# Altium PCB Power_Board_2.PcbDoc (part 5 of 6) (continued)
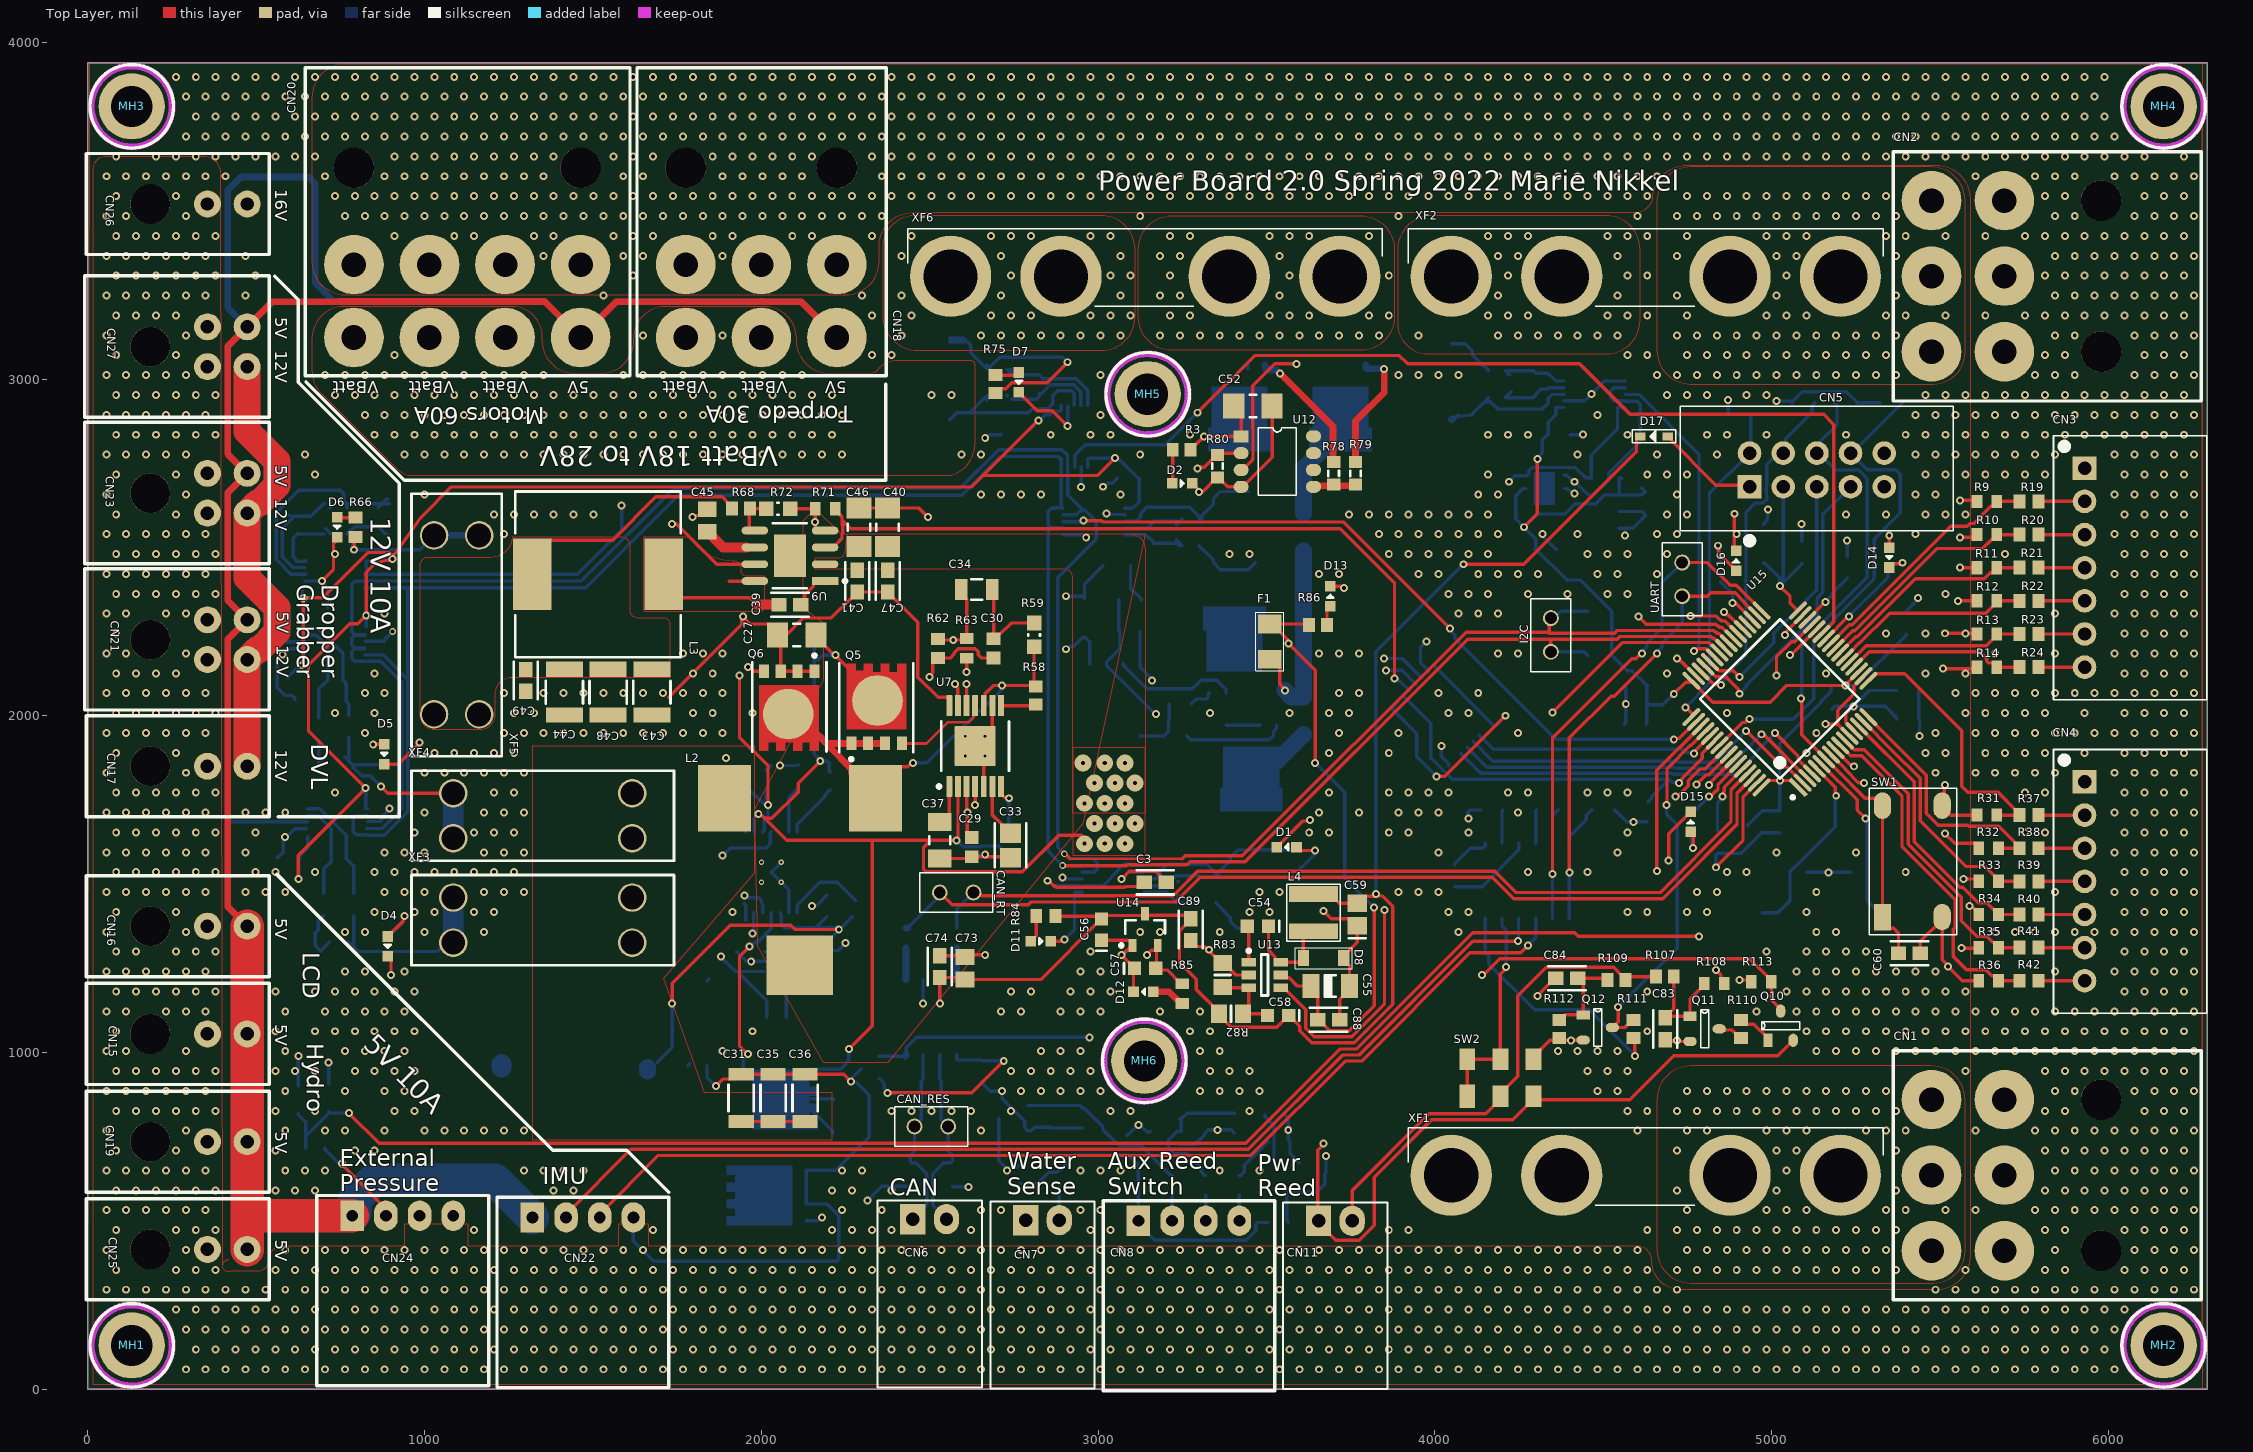
[diagram p0: Top Layer view]
## Nets (pads, with @x,y where several pads share a name; then routed paths per layer and width w, separated by ;. In a path a pad name is that pad's centre, name@x,y a point inside that pad or via, vN(x,y) a via of type N, cw(c..) or ccw(c..) an arc to the next point about the centre after c; other vN are vias at no path point) (continued)
  Bottom Layer w10: U4.5@3125,1940.04 R25.1@3196.54,1940 R25.1@3196.54,1940 3209.25,1952.72 3209.25,1986.36 3211.54,1988.64 R26.1@3211.54,2035
NetR27_1: R27.1 R30.2 U4.2 U15.28 | length 2532.4
  Top Layer w10: v1(5055,2180) 5056.94,2180 5134.1,2257.15 U15.28@5134.72,2257.15
  Layer 2 w10: v1(3171.72,2005) 3201.54,1975.19 4220.28,1975.19 4279.9,2034.81 4416.5,2034.81 4441.12,2010.19 4695.1,2010.19 4751.23,2066.32 4870.86,2066.32 4894.72,2090.19 4950.19,2090.19 5038.54,2178.54 5053.54,2178.54 v1(5055,2180)
  Bottom Layer w10: R27.1@3061.54,2345 3061.54,2253.94 R30.2@3065.47,2250 3065.47,2200 3025,2159.53 U4.2@3025,2155 3025,2150.47 3170.47,2005 v1(3171.72,2005)
NetR43_1: R43.1 R45.2 R49.1 XF3.3 XF3.4 | length 580
  Bottom Layer w10: R45.2@773.62,1328.41 798.15,1303.88 R45.2@798.15,1300 ; R49.1@790,1406.5 790,1308.15 R45.2@798.15,1300 ; XF3.3@1085,1326.14 1064.8,1326.14 1038.66,1300 R45.2@798.15,1300
  Bottom Layer w60: XF3.3@1085,1326.14 XF3.4@1085,1460
NetR46_2: R46.2 U5.7 | length 165.8
  Bottom Layer w10: U5.7@2106.77,1655.08 2106.77,1677.72 2189.33,1760.28 2189.33,1765.71 2202.05,1778.43 R46.2@2205,1778.43
NetR47_1: R47.1 U5.8 | length 246.6
  Bottom Layer w10: U5.8@2106.77,1414.92 2106.77,1437.56 2174.21,1505 2225,1505 R47.1@2280,1450
NetR54_1: R54.1 R56.2 R60.1 XF4.3 XF4.4 | length 683.3
  Top Layer w10: v1(870,1790) 890,1770 XF4.4@1085,1770
  Bottom Layer w10: R56.2@763.62,1876.91 R56.2@788.15,1852.39 ; R60.1@775,1935 775,1865.54 R56.2@788.15,1852.39 ; R56.2@789.34,1851.19 792.72,1854.57 R54.1@880,1854.57 ; v1(870,1790) 838.46,1821.54 812.68,1821.54 788.15,1846.06 R56.2@788.15,1850 R56.2@788.15,1852.39
  Bottom Layer w60: XF4.3@1085,1636.14 XF4.4@1085,1770
NetR57_1: R57.1 U7.7 | length 162.4
  Top Layer w10: U7.7@2711.77,1789.92 2711.77,1767.28 2721.45,1757.61 2732.39,1757.61 v1(2735,1755)
  Bottom Layer w10: R57.1@2735,1643.54 v1(2735,1755)
NetR58_1: R58.1 U7.8 | length 104.6
  Top Layer w10: U7.8@2711.77,2030.08 2811.65,2030.08 R58.1@2815,2033.43
NetR66_2: R66.2 R67.2 R69.1 XF5.3 XF5.4 | length 631.8
  Top Layer w10: v1(790.63,2493.05) 790.63,2527.09 R66.2@795,2531.46 ; XF5.4@1159.25,2535.75 XF5.4@1160,2535
  Bottom Layer w10: R69.1@768.5,2540 R69.1@770.36,2540 ; R69.1@770.62,2540 770.62,2542.08 780.52,2551.97 R69.1@782.6,2551.97 ; R67.2@888.15,2540 882.91,2540 861.54,2561.38 791.73,2561.38 781.42,2551.07 786.26,2546.22 786.26,2501.11 790.63,2496.74 v1(790.63,2493.05) 985.38,2493.05 XF5.3@1028.07,2535.75 ; XF5.4@1155.75,2535.75 XF5.4@1160,2540
  Bottom Layer w20: XF5.3@1028.07,2535.75 XF5.4@1155.75,2535.75
NetR68_1: R68.1 R72.2 U9.5 | length 146.7
  Top Layer w10: U9.5@1989.61,2556.81 1982.8,2550 1978.7,2550 1971.42,2550 1964.61,2556.81 1964.61,2615 R72.2@2022.44,2615
NetR74_2: R74.2 R75.1 R76.1 XF6.3 XF6.4 | length 738.5
  Top Layer w10: R75.1@2695,2958.43 2707.72,2971.14 2725.79,2971.14 2743.87,2989.22 2849.22,2989.22 v1(2910,3050)
  Bottom Layer w10: R74.2@2560,3111.14 R74.2@2601.34,3111.14 ; R74.2@2560,3121.14 2601.34,3121.14 2621.93,3100.55 2621.93,3077.71 2669.64,3030 R76.1@2673.36,3030 ; R76.1@2667.4,3041.97 2669.48,3041.97 2679.38,3032.08 R76.1@2679.38,3030 ; R76.1@2676.37,3033.01 R76.1@2673.36,3030 ; v1(2910,3050) 2895,3065 2708.36,3065 2677.41,3034.05 R76.1@2673.36,3030
  other v1: 2416.69,3129.92 2652.91,3129.92 2711.97,3129.92 2771.02,3129.92 2830.08,3129.92 2889.13,3129.92 2948.19,3129.92 3007.24,3129.92 3066.3,3129.92 2446.22,3188.98 2682.44,3188.98 2741.49,3188.98 2800.55,3188.98 2977.72,3188.98 3036.77,3188.98 3095.83,3188.98 2416.69,3248.03 2711.97,3248.03 3066.3,3248.03 2741.49,3307.09 3036.77,3307.09 3095.83,3307.09 2416.69,3366.14 2711.97,3366.14 3066.3,3366.14 2446.22,3425.2 2682.44,3425.2 2741.49,3425.2 2800.55,3425.2 2977.72,3425.2 3036.77,3425.2
NetR78_2: R78.2 R79.2 U12.5 | length 127.7
  Top Layer w20: U12.5@3639.96,2680 3642.99,2683.03 3761.49,2683.03 R79.2@3765,2686.54
NetR80_1: R80.1 U12.2 U16.15 | length 1148.5
  Top Layer w10: v1(3295,2735) 3297.61,2737.61 3315.64,2737.61 3353.03,2775 R80.1@3355,2775 3360,2780 U12.2@3425,2780
  Layer 2 w10: v1(3295,2735) 3460.18,2735 3959.85,2235.32 3959.85,2235.15 v1(3975,2220)
  Bottom Layer w10: v1(3975,2220) 3957.7,2202.7 3957.7,2158.06 3980.33,2135.42 U16.15@3980.33,2130.15
NetR98_1: R98.1 U15.29 U17.8 | length 3356.2
  Top Layer w10: v1(5015.04,2119.96) v1(5015.04,2119.96) 5015,2175.09 5059.94,2220.03 5069.75,2220.03 U15.29@5120.8,2271.07
  Layer 2 w10: v1(2975,1045) 3487.19,1557.19 3927.64,1557.19 4325.27,1954.81 4864.81,1954.81 4938.6,2028.6 4938.6,2043.6 v1(5015.04,2119.96) v1(5015.04,2119.96)
  Bottom Layer w10: R98.1@2350,988.46 U17.8@2427.2,988.46 ; U17.8@2430,993.78 2430,1013.46 2461.54,1045 v1(2975,1045)
  Bottom Layer w20: U17.8@2427.2,988.46 2430,991.26 U17.8@2430,993.78
NetR99_1: R99.1 U17.1 | length 94.3
  Bottom Layer w20: U17.1@2430,1216.22 R99.1@2430,1310.47
NetR101_1: R101.1 U17.4 | length 94.3
  Bottom Layer w20: U17.4@2580,1216.22 R101.1@2580,1310.47
NetR108_2: R108.2 U15.51 | length 899.6
  Top Layer w10: v1(4660.73,1539.27) 4660,1540 4660,1838.11 U15.51@4790.01,1968.12 ; v1(4835,1245) 4850.4,1229.59 4850.4,1214.12 R108.2@4859.53,1205
  Layer 2 w10: v1(4660.73,1539.27) 4660.73,1419.27 v1(4835,1245)
NetU1_3: U1.3 U15.50 | length 2180.9
  Top Layer w10: v1(2957.52,2579.72) 3010.38,2579.72 3014.72,2575.38 3729.43,2575.38 v1(4045,2259.81) ; v1(4710,1930) 4712.61,1932.61 4726.65,1932.61 U15.50@4776.09,1982.04
  Bottom Layer w10: U1.3@2896.06,2577.4 2896.78,2576.68 2950.8,2576.68 2953.84,2579.72 v1(2957.52,2579.72) ; v1(4045,2259.81) 4045,2256.12 4060.09,2241.04 4060.09,2229.91 4360,1930 v1(4710,1930)
NetU2_3: U2.3 U15.42 | length 2315.4
  Top Layer w10: v1(4350,2010) 4557.41,2217.41 4812.69,2217.41 4816.77,2213.33 4819.15,2213.33 4823.24,2209.25 4823.37,2209.25 4845.06,2187.56 U15.42@4845.68,2187.56
  Layer 2 w10: v1(2895,1520) 2898.69,1520 2906.34,1527.65 2907.65,1527.65 2955.19,1575.19 3920.19,1575.19 4133.79,1788.79 4133.79,1793.79 v1(4350,2010)
  Bottom Layer w10: v1(2895,1520) 2898.69,1520 2903.69,1515 U2.3@2953.46,1515
NetU3_3: U3.3 U15.43 | length 957.5
  Top Layer w10: v1(4770,2192.6) 4773.69,2192.6 4780.5,2199.41 4805.24,2199.41 4809.32,2195.33 4809.45,2195.33 4831.14,2173.64 U15.43@4831.76,2173.64
  Bottom Layer w10: U3.3@4566.54,2955 4567.31,2954.22 4607.06,2954.22 4784.81,2776.47 4784.81,2207.41 v1(4770,2192.6)
NetU6_3: U6.3 U15.37 | length 4653.3
  Top Layer w10: v1(4859.5,2307.8) 4859.5,2305.25 4865.5,2299.25 4872.43,2299.25 4892.83,2278.85 4892.96,2278.85 4914.66,2257.15 U15.37@4915.28,2257.15
  Layer 2 w10: v1(895,1725) 895,2000 1147,2252 2396.54,2252 2412.36,2267.81 3817.19,2267.81 3949.62,2135.38 4646.03,2135.38 4684.81,2174.16 4684.81,2194.9 4706.91,2217 4726.91,2217 4817.71,2307.8 v1(4859.5,2307.8)
  Bottom Layer w10: U6.3@831.54,1685 832.32,1685.78 866.29,1685.78 877.76,1697.25 877.76,1704.32 895,1721.56 v1(895,1725)
NetU8_3: U8.3 U15.38 | length 4247.8
  Top Layer w10: v1(4760,2296.22) 4835.99,2296.22 4846.88,2285.33 4848.98,2285.33 4853.06,2281.25 4863.35,2281.25 U15.38@4901.36,2243.24
  Layer 2 w10: v4(905,2250) 925,2270 2374.19,2270 2390,2285.81 3839.19,2285.81 3971.62,2153.38 4360.17,2153.38 4361.79,2155 4525,2155 4605,2235 4704.39,2235 4740.31,2270.92 4740.31,2276.54 v1(4760,2296.22)
  Bottom Layer w10: U8.3@823.38,2220.78 879.22,2220.78 880,2220 880,2225 v4(905,2250)
NetU10_3: U10.3 U15.39 | length 4642.5
  Top Layer w10: v1(4605,2295) 4628.59,2271.41 4835.35,2271.41 4839.43,2267.33 4841.52,2267.33 4845.6,2263.25 4852.88,2263.25 4886.82,2229.32 U15.39@4887.44,2229.32
  Layer 2 w10: v1(1585,2625) 3145,2625 3306.83,2786.83 4358.25,2786.83 4615,2530.09 4615,2307.67 4605,2297.67 v1(4605,2295)
  Bottom Layer w10: U10.3@822.6,2420 1453.32,2420 1585,2551.68 v1(1585,2625)
NetU11_3: U11.3 U15.27 | length 3133.6
  Top Layer w10: v1@3295.32,2899.68 3465.44,3069.81 3895.19,3069.81 3920,3045 4430,3045 4580,2895 5155,2895 5185,2865 5185,2279.6 U15.27@5148.64,2243.24
  Bottom Layer w10: U11.3@2930,2738.46 2930.78,2739.24 2930.78,2773.22 2962.2,2804.64 3199.64,2804.64 v1(3295,2900)
NetU15_2: U15.2 U16.4 | length 1106.7
  Top Layer w10: v1(4924.96,1955.04) 5032.06,1847.94 5046.11,1847.94 U15.2@5092.96,1801.09
  Bottom Layer w10: U16.4@4113.96,1924.14 4173.06,1865.03 4718.87,1865.03 4721.44,1862.46 4832.37,1862.46 v1(4924.96,1955.04)
NetU15_3: U15.3 U16.5 | length 1132.1
  Top Layer w10: v1(4970.04,1945.04) 4972.65,1942.44 4979.45,1942.44 U15.3@5106.88,1815.01
  Bottom Layer w10: U16.5@4095.86,1906.04 4154.87,1847.03 4711.41,1847.03 4713.98,1844.46 4869.46,1844.46 v1(4970.04,1945.04)
NetU15_4: U15.4 U16.6 | length 1179.3
  Top Layer w10: v1(5011.19,1948.81) 5078.86,1881.14 5078.86,1870.86 U15.4@5120.8,1828.93
  Bottom Layer w10: U16.6@4077.77,1887.95 4136.68,1829.03 4703.96,1829.03 4706.53,1826.46 4896.46,1826.46 4952.52,1882.52 4952.52,1890.14 v1(5011.19,1948.81)
NetU15_53: U15.53 U16.3 | length 733.4
  Top Layer w10: v1(4769.7,1887.27) 4772.31,1889.88 4772.31,1894.74 U15.53@4817.85,1940.28
  Bottom Layer w10: U16.3@4132.05,1942.23 4174.29,1900 4737.89,1900 4748.01,1889.88 4767.1,1889.88 v1(4769.7,1887.27)
NRST: C60.1 CN5.8 R91.1 SW1.1 SW1.2 U15.7 | length 1992
  Top Layer w10: v1(5088.46,2051.54) 5090.18,2049.82 5090.18,1943.06 U15.7@5162.56,1870.68 5162.56,1870.06 5193.5,1839.12 5193.5,1838.96 5277.96,1754.49 5310.98,1754.49 5330,1735.47 SW1.2@5330,1732.83 SW1.1@5330,1402.13 5330,1389.63 5350.59,1369.04 5363.09,1369.04 5377.44,1354.68 C60.1@5377.44,1295
  Bottom Layer w10: v1(5088.46,2051.54) 5090.18,2053.25 5090.18,2215.93 5285,2410.75 5285,2704.54 5259.54,2730 5189.4,2730 CN5.8@5139.76,2779.64 ; CN5.8@5135,2780 5146.48,2791.48 5146.48,2816.48 5195,2865 5195,2921.54 R91.1@5186.54,2930
OSC_IN: C62.2 U15.5 X1.2 | length 571
  Top Layer w10: U15.5@5134.72,1842.85 5189.94,1787.63 5189.94,1765.06 v1(5192.54,1762.46)
  Bottom Layer w10: X1.2@4972.99,1415 5019.06,1415 5055.39,1451.34 C62.2@5055.39,1535 ; C62.2@5055,1535 5055,1536.57 5065.16,1546.73 5066.73,1546.73 5076.84,1556.84 5076.84,1557.12 5084.46,1564.73 5084.73,1564.73 5190,1670 5190,1759.91 v1(5192.54,1762.46)
OSC_OUT: C61.2 U15.6 X1.1 | length 539.2
  Top Layer w10: U15.6@5148.64,1856.76 5148.64,1856.56 5255,1750.2 5255,1720 v1(5280,1695)
  Bottom Layer w10: v1(5280,1695) 5280,1691.31 5284.61,1686.71 5284.61,1451.34 5320.94,1415 X1.1@5347.01,1415
RED: R93.1 U15.35 | length 156.2
  Top Layer w10: v1(4885,2335) 4887.61,2332.39 4895.72,2332.39 U15.35@4943.12,2284.99
  Bottom Layer w10: R93.1@4850,2397.9 4850,2396.46 4884.65,2361.81 4884.65,2335.35 v1(4885,2335)
"Reed Switch Line": CN11.2 R107.2 R109.2 SW2.5 | length 1437.3
  Top Layer w10: CN11.2@3755,500 3755,590.02 3982.98,818 4150.99,818 4195,862.01 SW2.5@4195,869.88 4195,877.76 4246.81,929.57 4246.81,1168.04 4331.7,1252.92 4532.27,1252.92 4544.14,1241.05 4544.14,1240.39 4566.57,1217.95 R109.2@4566.57,1215 4576.57,1225 R107.2@4656.85,1225
RS232_RX: CN22.3 U20.13 | length 3188.4
  Top Layer w10: CN22.3@1520,510 1520,520 1694,694 3453.91,694 3734.35,974.44 3783.02,974.44 4104.62,1296.04 4256.05,1296.04 4276.77,1316.76 v1(4276.77,1318.23)
  Bottom Layer w10: v1(4276.77,1318.23) 4300,1341.46 U20.13@4300,1398.78
RS232_TX: CN22.2 U20.14 | length 3242.6
  Top Layer w10: CN22.2@1420,510 1420,520 1612,712 3446.46,712 3726.89,992.44 3775.56,992.44 4113.61,1330.48 v1(4247.62,1330.48)
  Bottom Layer w10: v1(4247.62,1330.48) 4248.81,1331.67 4248.81,1397.59 U20.14@4250,1398.78
SWCLK: CN5.6 R87.1 U15.49 | length 990.2
  Top Layer w10: v1(4745,2025) 4767.35,2002.65 4767.35,2001.14 U15.49@4762.17,1995.96
  Bottom Layer w10: v1(4745,2025) 4816.09,2096.09 4816.09,2661.09 CN5.6@4935,2780 4935,2783.97 4935,2788.07 4938.46,2793.43 R87.1@4938.46,2895
SWDIO: CN5.7 R89.1 U15.46 | length 1053.9
  Top Layer w10: U15.46@4790.01,2131.88 4790.63,2131.88 4828.77,2093.74 4847.39,2093.74 v1(4850,2091.13)
  Bottom Layer w10: v1(4850,2091.13) 4850,2094.82 4866.49,2111.31 4866.49,2123.49 4924.6,2181.6 4924.6,2603.97 4952.63,2632 4975.38,2632 4986.95,2643.57 4986.95,2647.71 4986.95,2648.48 cw(c5138.97,2672.47) 4985.64,2685.7 4985.64,2745.64 5020,2780 CN5.7@5035,2780 5042.86,2787.86 5042.86,2822.86 5121.17,2901.17 5121.17,2922.71 R89.1@5128.46,2930
SWO: CN5.9 R92.1 U15.55 | length 1500.3
  Top Layer w10: U15.55@4845.68,1912.44 4846.31,1912.44 4913.72,1979.86 4921.26,1979.86 4931.36,1989.96 v1(4935.04,1989.96)
  Bottom Layer w10: v1(4935.04,1989.96) 5064.96,1989.96 5125.22,2050.22 5125.22,2225.51 5303,2403.29 5305,2418.99 5305,2525 5383,2603 5383,2717 5380.07,2719.93 5369.46,2730.54 5284.46,2730.54 CN5.9@5235,2780 5238.46,2780 5373.78,2915.31 5375.75,2915.31 5388.46,2928.03 R92.1@5388.46,2930
System_PWR: C8.2 C9.1 C10.1 C23.2 C24.1 C25.1 C26.1 C27.1 C40.1 C41.2 C46.1 C47.2 D9.A Q1.5 Q3.5-6-7-8 Q5.5-6-7-8 R2.2 R6.2 R16.1 R46.1 R57.2 U2.8 U5.2 U7.2 U9.2 | length 4732.3
  Top Layer w10: v1(1990.92,1708.69) 1994.61,1708.69 2000.57,1702.72 2002.28,1702.72 2009.61,1695.39 ; C27.1@2162.09,2240 2162.09,2234.09 2213.57,2182.61 2222.39,2182.61 v1@2225,2180 ; v1(2175,1865) 2109.43,1799.43 2109.43,1773.35 2031.47,1695.39 2009.61,1695.39 ; v1(2220,2180) 2260,2140 2265,2140 2275,2130 ; v1(2260,1010) 2329.2,1079.2 2329.2,1630 ; 2272.09,2130 2275,2130 ; Q5.5-6-7-8@2325,2060 2325,2080 2275,2130 ; 2325,2130 2275,2130 ; U7.2@2583.82,1789.92 2584.17,1789.57 2584.17,1637.86 2580,1633.69 v1(2580,1630) 2503.74,1630 ; 2950,1645 2884.1,1645 2775.39,1536.29 2489.18,1536.29 2481.57,1543.91 2481.57,1607.83 2503.74,1630 ; 2009.61,1695.39 2075,1630 2329.2,1630 ; 2329.2,1630 2503.74,1630
  Bottom Layer w10: U5.2@1978.82,1655.08 1978.82,1696.54 v1@1990.92,1708.64 ; C23.2@2132.56,2230 2135.43,2230 2150.36,2215.08 2150.36,2212.2 2157.09,2205.47 C25.1@2157.09,2065 C24.1@2157.09,1960 2157.09,1885 2175,1867.09 v1(2175,1865) 2196.19,1865 2202.05,1859.14 2202.05,1834.53 R46.1@2205,1831.57 ; C26.1@2167.09,2165 2182.09,2180 v1(2220,2180) ; C10.1@2212.09,757.76 2212.09,766.62 2142.82,835.89 2085.64,835.89 Q3.5-6-7-8@2058.78,862.76 ; C9.1@2215.87,860 2213.11,862.76 Q3.5-6-7-8@2058.78,862.76 ; v1(2260,1010) 2260,977.56 2250.24,967.8 2250.24,964.92 2235.32,950 C8.2@2232.44,950 2146.02,950 Q3.5-6-7-8@2058.78,862.76 ; v1(2580,1630) 2599.22,1610.78 2651.17,1610.78 2653.47,1613.08 2705.43,1613.08 2732.05,1586.46 R57.2@2735,1586.46 ; U2.8@3136.54,1515 3137.31,1515.78 3171.29,1515.78 3185.49,1529.98 3185.49,1539.16 3205.24,1558.91 3322.73,1558.91 3352.59,1529.05 3356.64,1525 R16.1@3358.5,1525 ; R16.1@3350.62,1527.08 3393.07,1569.53 3393.07,1580.55 3413.66,1601.14 R6.2@3455,1601.14 3455.43,1601.57 R2.2@3600,1601.57
  Bottom Layer w50: Q1.5@3455,1830 3496.1,1830 D9.A@3610,1943.9
  other v2: 2960,1620 3020,1620 3080,1620 2990,1680 3050,1680 3110,1680 2960,1740 3020,1740 3080,1740 2990,1800 3050,1800 3110,1800 2955,1860 3020,1860 3080,1860
UART_RX: U15.33 U20.12 UART.1 | length 1519.7
  Top Layer w10: v1(4350,1530) 4350,1935 4584.73,2169.73 4596.6,2169.73 4611.31,2184.44 v1(4615,2184.44) ; UART.1@4735,2455 4810,2455 4877.19,2387.81 4895.23,2387.81 4948.51,2334.53 4948.64,2334.53 4970.34,2312.83 U15.33@4970.96,2312.83
  Bottom Layer w10: U20.12@4350,1398.78 v1(4350,1530) ; v1(4615,2184.44) 4615,2188.13 4629.71,2202.84 4629.71,2214.71 4675,2260 4675,2395 UART.1@4735,2455
UART_RX_DEBUG: CN5.4 U15.45 | length 891.4
  Top Layer w10: U15.45@4803.93,2145.8 4804.55,2145.8 4834.4,2115.94 4864.14,2115.94 4902.39,2077.69 4902.39,2067.98 v1(4905,2065.38)
  Bottom Layer w10: v1(4905,2065.38) 4925.18,2085.56 4925.18,2090.18 5135.38,2300.38 5135.38,2348.58 5153,2366.2 5153,2598 CN5.4@5235,2680
UART_TX: U15.34 U20.11 UART.2 | length 1341.9
  Top Layer w10: v1(4400,1535) 4400,1934.35 4523.74,2058.09 4533.65,2058.09 v1(4660,2184.44) ; UART.2@4735,2355 4809.76,2355 4819.76,2365 4892.58,2365 4919.81,2337.77 4919.81,2336.14 U15.34@4947.6,2308.35
  Bottom Layer w10: U20.11@4400,1398.78 v1(4400,1535) ; v1(4660,2184.44) 4660,2188.13 4674.71,2202.84 4674.71,2214.71 4735,2275 UART.2@4735,2355
UART_TX_DEBUG: CN5.3 U15.44 | length 765.9
  Top Layer w10: U15.44@4817.85,2159.72 4818.47,2159.72 4844.24,2133.94 4886.03,2133.94 v1(4905,2115)
  Bottom Layer w10: v1(4905,2115) 5006.65,2216.65 5006.65,2245.3 5135,2373.66 CN5.3@5135,2680
VBatt_EXT: CN18.4 CN18.5 CN20.5 CN20.6 CN20.7 R74.1 R77.1 U11.8 | length 549.5
  Bottom Layer w10: R74.1@2560,2878.86 2580.59,2899.45 R74.1@2621.93,2899.45 ; R77.1@2669.48,2938.03 2679.38,2947.92 R77.1@2679.38,2950 ; R77.1@2671.5,2950 2669.64,2950 2619.09,2899.45 R74.1@2621.93,2899.45 ; U11.8@2930,2921.54 2929.22,2922.32 2929.22,2956.29 2920.46,2965.05 2880.48,2965.05 2865.39,2949.96 2865.39,2926.73 2850.31,2911.64 2805.31,2911.64 2793.11,2899.45 R74.1@2621.93,2899.45
  other v1: 940.31,2775.59 999.37,2775.59 1058.42,2775.59 1117.48,2775.59 1176.53,2775.59 1235.59,2775.59 1294.64,2775.59 1353.7,2775.59 1412.76,2775.59 1471.81,2775.59 1530.87,2775.59 1589.92,2775.59 1648.98,2775.59 1708.03,2775.59 1767.09,2775.59 1826.14,2775.59 1885.2,2775.59 1944.25,2775.59 2003.31,2775.59 2062.36,2775.59 2121.42,2775.59 2180.47,2775.59 2239.53,2775.59 2593.86,2775.59 851.73,2834.64 910.79,2834.64 969.84,2834.64 1028.9,2834.64 1087.95,2834.64 1147.01,2834.64 1206.06,2834.64 1265.12,2834.64 1324.17,2834.64 1383.23,2834.64 1442.28,2834.64 1501.34,2834.64 1560.39,2834.64 1619.45,2834.64 1678.5,2834.64 1737.56,2834.64 1796.61,2834.64 1855.67,2834.64 1914.72,2834.64 1973.78,2834.64 2032.83,2834.64 2091.89,2834.64 2150.94,2834.64 2210,2834.64 822.2,2893.7 881.26,2893.7 940.31,2893.7 999.37,2893.7 1058.42,2893.7 1117.48,2893.7 1176.53,2893.7 1235.59,2893.7 1294.64,2893.7 1353.7,2893.7 1412.76,2893.7 1471.81,2893.7 1530.87,2893.7 1589.92,2893.7 1648.98,2893.7 1708.03,2893.7 1767.09,2893.7 1826.14,2893.7 1885.2,2893.7 1944.25,2893.7 2003.31,2893.7 2062.36,2893.7 2121.42,2893.7 2180.47,2893.7 2239.53,2893.7 733.62,2952.76 792.68,2952.76 851.73,2952.76 910.79,2952.76 969.84,2952.76 1028.9,2952.76 1087.95,2952.76 1147.01,2952.76 1206.06,2952.76 1265.12,2952.76 1324.17,2952.76 1383.23,2952.76 1442.28,2952.76 1501.34,2952.76 1560.39,2952.76 1619.45,2952.76 1678.5,2952.76 1737.56,2952.76 1796.61,2952.76 1855.67,2952.76 1914.72,2952.76 1973.78,2952.76 2032.83,2952.76 2091.89,2952.76 2150.94,2952.76 2210,2952.76 2505.27,2952.76 2564.33,2952.76 704.09,3011.81 763.15,3011.81 822.2,3011.81 881.26,3011.81 940.31,3011.81 999.37,3011.81 1058.42,3011.81 1117.48,3011.81 1176.53,3011.81 1235.59,3011.81 1294.64,3011.81 1353.7,3011.81 1589.92,3011.81 1648.98,3011.81 1708.03,3011.81 1767.09,3011.81 1826.14,3011.81 1885.2,3011.81 1944.25,3011.81 2003.31,3011.81 2062.36,3011.81 2121.42,3011.81 910.79,3070.87 1648.98,3129.92 1885.2,3129.92
Vbatt_INT: C7.1 C55.2 C88.1 CN11.1 F1.1 Q10.2 R86.2 SW2.4 U4.1 U13.5 | length 5410.9
  Top Layer w10: F1.1@3510,2272.36 F1.1@3517.09,2272.36 ; U13.5@3542.24,1230 3550.04,1222.2 3567.48,1222.2 3592.32,1197.36 C55.2@3632.91,1197.36 3652.44,1177.83 C88.1@3652.44,1097.36 3655.32,1097.36 3688.24,1064.44 3745.74,1064.44 3820,1138.7 v1(3820,1430) ; R86.2@3626.85,2270 3624.49,2272.36 F1.1@3517.09,2272.36 ; v1(3645,1860) 3645,2135.19 v1(3565.19,2215) 3562.58,2217.61 3562.58,2226.87 F1.1@3517.09,2272.36 ; v1(3670,730) 3670,727.71 3652.19,709.89 3652.19,502.81 CN11.1@3655,500 3655,492.5 3705.5,442 3775.92,442 3820,486.08 3820,629.57 3990.43,800 4231.42,800 4274.8,843.39 4274.8,851.26 SW2.4@4293.43,869.88 4303.35,859.95 4579.95,859.95 4710,990 5018.74,990 Q10.2@5064.8,1036.06
  Layer 2 w10: v1(2904.81,2197.61) 3030.68,2197.61 3038.1,2190.19 3540.69,2190.19 3565.19,2214.69 v1(3565.19,2215) ; v1(3670,730) 3820,880 v1(3820,1430)
  Bottom Layer w10: v1(2904.81,2197.61) 2908.5,2197.61 2917.31,2206.42 2927.6,2206.42 2954.09,2232.91 C7.1@2960,2232.91 2975,2217.91 U4.1@2975,2155 ; v1(3645,1860) 3732.5,1772.5 3732.5,1517.5 v1(3820,1430)
VDDA/VREF+: C64.1 C65.2 FB1.2 U15.13 | length 457.9
  Top Layer w10: v1(5243.88,2027.73) 5241.7,2027.73 5220.3,2006.33 5220.3,1980.6 5246.07,1954.82 U15.13@5246.07,1954.2
  Bottom Layer w10: FB1.2@5180,2017.52 5180,2018.95 5188.78,2027.73 v1(5243.88,2027.73) ; C65.2@5371.54,1990 5371.54,1993.94 5337.74,2027.73 v1(5243.88,2027.73) ; C64.1@5372.44,2075 5291.15,2075 v1(5243.88,2027.73)
pads on no net: CN1.None1 CN1.None2 CN2.None1 CN2.None2 CN3.1 CN4.1 CN15.None CN16.None CN17.None CN18.None1 CN18.None2 CN19.None CN20.None1 CN20.None2 CN21.None CN23.None CN25.None CN26.None CN27.None D21.3 D22.3 L2.None MH1.1 MH2.1 MH3.1 MH4.1 MH5.1 MH6.1 U4.6 U4.7 U4.8 U9.9 U12.6 U12.7 U12.8 U15.36 U16.2 U16.7 U18.5 U18.6 U19.3 U19.4 U20.7 U20.8 U20.9 U20.10

## Polygon pours and split planes (outlines as drawn)
GND on Top Layer "GND_L01_P120" (solid, remove dead copper, pour order 120): 5,3940 6280,3940 6280,0 0,0
Battery0_raw on Top Layer "Batt_30A" (solid, pour order 3): 5575,860 ccw(c5475,860) 5475,960 4760,960 ccw(c4760,860) 4660,860 4660,415 ccw(c4760,415) 4760,315 5480,315 ccw(c5480,410) 5575,410
VBatt_EXT on Top Layer "PGND" (solid, pour order 53): 2635,2860 2635,3040 ccw(c2620,3040) 2620,3055 2405,3055 ccw(c2404.99,2975.88) 2349.03,3031.82 cw(c2318.79,3050.6) 2318.79,3015 2205,3015 cw(c2205,3115) 2105,3115 2105,3120 ccw(c2010,3120) 2010,3215 1715,3215 ccw(c1715,3120) 1620,3120 1620,3115 cw(c1520,3115) 1520,3015 1450,3015 cw(c1450,3115) 1350,3115 1350,3125 ccw(c1260,3125) 1260,3215 760,3215 ccw(c760,3120) 665,3120 665,3026.42 ccw(c765,3026.42) 694.29,2955.71 910.71,2739.29 ccw(c981.42,2810) 950.2,2715 2566.22,2715 ccw(c2535,2810) 2635,2810 2635,2851.69
System_PWR on Top Layer "SYSTEM_PWR_L01_P117" (solid, remove dead copper, pour order 117): 2185,2275 2125,2320 2125,2579.53 2160.47,2615 2235.47,2540 3140,2540 2955,1680 2375,970 2185,970 1990,1315 1980,1721.84 2185,2105
12V_EXT_RAW on Top Layer "12V_EXT_RAW_L01_P115" (solid, remove dead copper, pour order 115): 1980,1910 1320,1910 1320,740 2210,740 2210,880 1832.19,880 1710,1220 1980,1533.68
System_PWR on Top Layer "PWR_LOW" (solid, pour order 89): 2925,2410 ccw(c2900,2410) 2900,2435 2160,2435 2160,2470 2230,2470 ccw(c2230,2490) 2249.88,2487.79 2255,2540 3095,2540 cw(c3095,2495) 3140,2495 3140,1710 2925,1710
NetC39_2 on Top Layer "PWR_LOW" (solid, pour order 72): 2010,2415 1955,2415 cw(c1955,2430) 1940,2430 1940,2433.36 ccw(c1917.99,2437.17) 1914.18,2459.18 cw(c1914.81,2607.59) 1795,2520 ccw(c1785.84,2521.34) 1782.56,2530 1655,2530 ccw(c1655,2525) 1650,2525 1650,2315 ccw(c1655,2315) 1655,2310 1995,2310 ccw(c1995,2325) 2010,2325
16V_EXT_RAW on Top Layer "PWR_LOW" (solid, pour order 86): 1260,2115 1730,2115 1730,2270 ccw(c1710,2270) 1710,2290 1635,2290 cw(c1635,2315) 1610,2315 1610,2505 ccw(c1585,2505) 1585,2530 1260,2530 cw(c1195,2535) 1195,2469.81 cw(c1195,2535) 1190,2470 1010,2470 ccw(c1010,2445) 985,2445 985,2005 ccw(c1030,2005) 1030,1960 1165,1960 ccw(c1165,2005) 1210,2005 1210,2065 cw(c1260,2065)
Battery1_raw on Top Layer "Batt_30A" (solid, pour order 2): 5575,3530 ccw(c5475,3530) 5475,3630 4760,3630 ccw(c4760,3530) 4660,3530 4660,3085 ccw(c4760,3085) 4760,2985 5480,2985 ccw(c5480,3080) 5575,3080
NetR74_2 on Top Layer "Batt_30A" (solid, pour order 27): 3110,3385 ccw(c3010,3385) 3010,3485 2455,3485 ccw(c2455,3390) 2360,3390 2360,3190 ccw(c2465,3190) 2465,3085 3010,3085 ccw(c3010,3185) 3110,3185
Battery1 on Top Layer "Batt_30A" (solid, pour order 30): 4610,3385 ccw(c4510,3385) 4510,3485 3990,3485 ccw(c3990,3385) 3890,3385 3890,3165 ccw(c3980,3165) 3980,3075 4510,3075 ccw(c4510,3175) 4610,3175
NetQ7_1 on Top Layer "Batt_30A" (solid, pour order 36): 3880,3185 cw(c3780,3185) 3780,3085 3220,3085 cw(c3220,3185) 3120,3185 3120,3385 cw(c3220,3385) 3220,3485 3780,3485 cw(c3780,3385) 3880,3385
System_PWR on Top Layer "PWR_LOW" (solid, pour order 85): 2925,1905 2925,1585 3140,1585 3140,1905
GND on Top Layer "PGND" (solid, pour order 111): 6180,15 ccw(c6180,115) 6280,115 6280,3835 ccw(c6180,3835) 6180,3935 765,3935 ccw(c765,3835) 665,3835 665,3350 ccw(c765,3350) 765,3250 2250,3250 ccw(c2250,3350) 2350,3350 2350,3395 cw(c2450,3395) 2450,3495 4595,3495 ccw(c4595,3550) 4646.96,3531.96 cw(c4750,3531.96) 4750,3635 5490,3635 cw(c5490,3535) 5590,3535 5590,395 cw(c5490,395) 5490,295 4730,295 cw(c4730,380) 4645,380 ccw(c4600,380) 4600,425 ccw(c4600,380) 4600,425 1665,425 1665,490 1575,490 1575,425 1130,425 1130,490 940,490 940,425 580,425 ccw(c580,380) 580,425 ccw(c580,380) 535,380 cw(c505,380) 535,380 cw(c505,380) 505,350 425,350 cw(c417.5,366.23) 417.5,348.35 cw(c417.5,366.23) 417.5,348.35 cw(c417.5,366.25) 417.5,348.35 cw(c417.5,366.25) 399.6,366.25 cw(c417.5,366.25) 417,384.14 ccw(c417.49,366.26) 400,370 395,3605 ccw(c346.48,3609.93) 395.25,3609.93 ccw(c346.48,3609.93) 395.25,3609.96 ccw(c344.98,3609.98) 395.25,3609.98 ccw(c344.98,3609.98) 350,3660 50,3660 ccw(c50,3625) 50,3660 ccw(c50,3625) 15,3625.01 15,15
GND on Bottom Layer "GND_L04_P121" (solid, remove dead copper, pour order 121): 0,3940 6285,3940 6295,3940 6295,3930 6280,0 0,0
Battery0_raw on Bottom Layer "Batt_30A" (solid, pour order 29): 5575,860 ccw(c5475,860) 5475,960 4760,960 ccw(c4760,860) 4660,860 4660,415 ccw(c4760,415) 4760,315 5480,315 ccw(c5480,410) 5575,410
System_PWR on Bottom Layer "SYSTEM_PWR_L04_P118" (solid, remove dead copper, pour order 118): 2030,2585 2090,2525 2090,1121.31 1945,976.31 1945,735 2095,735 2140,690 2300,690 2300,795.77 3195,1650 3195,2620 2075,2620 2040,2585 2035,2585
NetQ2_5 on Bottom Layer "Batt_30A" (solid, pour order 46): 3160,2130 3555,2130 3555,2465 3160,2465
Battery0 on Bottom Layer "Batt_30A" (solid, pour order 42): 4011.42,475 cw(c4011.42,575) 3940.71,504.29 3404.23,1040.77 cw(c3475,1111.42) 3375,1111.42 3375,1400 3893.58,1400 cw(c3893.58,1300) 3964.29,1370.71 4590.71,744.29 cw(c4520,673.58) 4620,673.58 4620,575 cw(c4520,575) 4520,475
NetC11_1 on Bottom Layer "NETC11_1_L04_P116" (solid, remove dead copper, pour order 116): 1720,1160 1675,1160 1550,1035 1550,585 1690,585 1705,570 1705,455 2125,455 2125,960 1824.97,965.09 1760.06,1160
5V_EXT_RAW on Bottom Layer "5V_EXT_RAW_L04_P114" (solid, remove dead copper, pour order 114): 1815,920 1740,920 1740,1075 1585,1075 1545,1035 1545,805 1020,805 990,835 1015,860 1015,1245 1120,1245 1415,1540 1755,1545 1755,1395 1815,1325.79
GND on Bottom Layer "GND_L04_P119" (solid, pour order 119): 2400,2630 1760,2630 1480,2350 1230,2350 1230,1580 1235,1575 1765,1575 1765,1368.89 1810,1243.89 1810,880 1901.63,880 2140,1118.37 2140,2300 2395,2300 2405,2310 2405,2625
GND on Bottom Layer "PGND" (solid, pour order 102): 6180,15 ccw(c6180,115) 6280,115 6280,3835 ccw(c6180,3835) 6180,3935 765,3935 ccw(c765,3835) 665,3835 665,3350 ccw(c765,3350) 765,3250 2250,3250 ccw(c2250,3350) 2350,3350 2350,3395 cw(c2450,3395) 2450,3495 4595,3495 ccw(c4595,3550) 4646.96,3531.96 cw(c4750,3531.96) 4750,3635 5490,3635 cw(c5490,3535) 5590,3535 5590,395 cw(c5490,395) 5490,295 4730,295 cw(c4730,380) 4645,380 ccw(c4600,380) 4600,425 ccw(c4600,380) 4600,425 1665,425 1665,490 1575,490 1575,425 1130,425 1130,490 940,490 940,425 580,425 ccw(c580,380) 580,425 ccw(c580,380) 535,380 cw(c505,380) 535,380 cw(c505,380) 505,350 425,350 cw(c417.5,366.23) 417.5,348.35 cw(c417.5,366.23) 417.5,348.35 cw(c417.5,366.25) 417.5,348.35 cw(c417.5,366.25) 399.6,366.25 cw(c417.5,366.25) 417,384.14 ccw(c417.49,366.26) 400,370 395,3605 ccw(c346.48,3609.93) 395.25,3609.93 ccw(c346.48,3609.93) 395.25,3609.96 ccw(c344.98,3609.98) 395.25,3609.98 ccw(c344.98,3609.98) 350,3660 50,3660 ccw(c50,3625) 50,3660 ccw(c50,3625) 15,3625.01 15,15
VBatt_EXT on Bottom Layer "PGND" (solid, pour order 58): 2634.39,2869.39 2634.39,3005.61 ccw(c2575.61,3005.61) 2575.6,3064.39 2405,3064.39 ccw(c2404.68,2984.54) 2348.43,3041.21 cw(c2318.18,3059.99) 2318.18,3024.39 2204.39,3024.39 cw(c2204.39,3124.39) 2104.39,3124.39 2104.39,3129.39 ccw(c2009.4,3129.4) 2009.39,3224.39 1714.39,3224.39 ccw(c1714.39,3129.4) 1619.39,3129.39 1619.39,3124.39 cw(c1519.4,3124.39) 1519.39,3024.39 1449.39,3024.39 cw(c1449.39,3124.39) 1349.39,3124.39 1349.39,3134.39 ccw(c1259.4,3134.4) 1259.39,3224.39 759.39,3224.39 ccw(c759.39,3129.4) 664.39,3129.39 664.39,3035.81 ccw(c764.39,3035.81) 693.68,2965.1 910.1,2748.68 ccw(c980.82,2819.4) 980.81,2719.39 2534.39,2719.39 ccw(c2534.39,2819.39) 2634.39,2819.39 2634.39,2861.08